# Altium PCB OBC Development Board.PcbDoc (part 2 of 3)
Units mil, origin at the board's own origin, x right, y up, seen from the top; angles counter-clockwise.
Board outline 3775.59 x 3550 mil, 6 copper layers (L1 Top Layer, L2 GND, L3 Signal, L4 Signal, L5 GND, L6 Bottom Layer), stack 61.638 mil thick; 189 components, 153 nets, 883 pads, 1126 vias.
Unrouted connection lines stored in the file: 1.
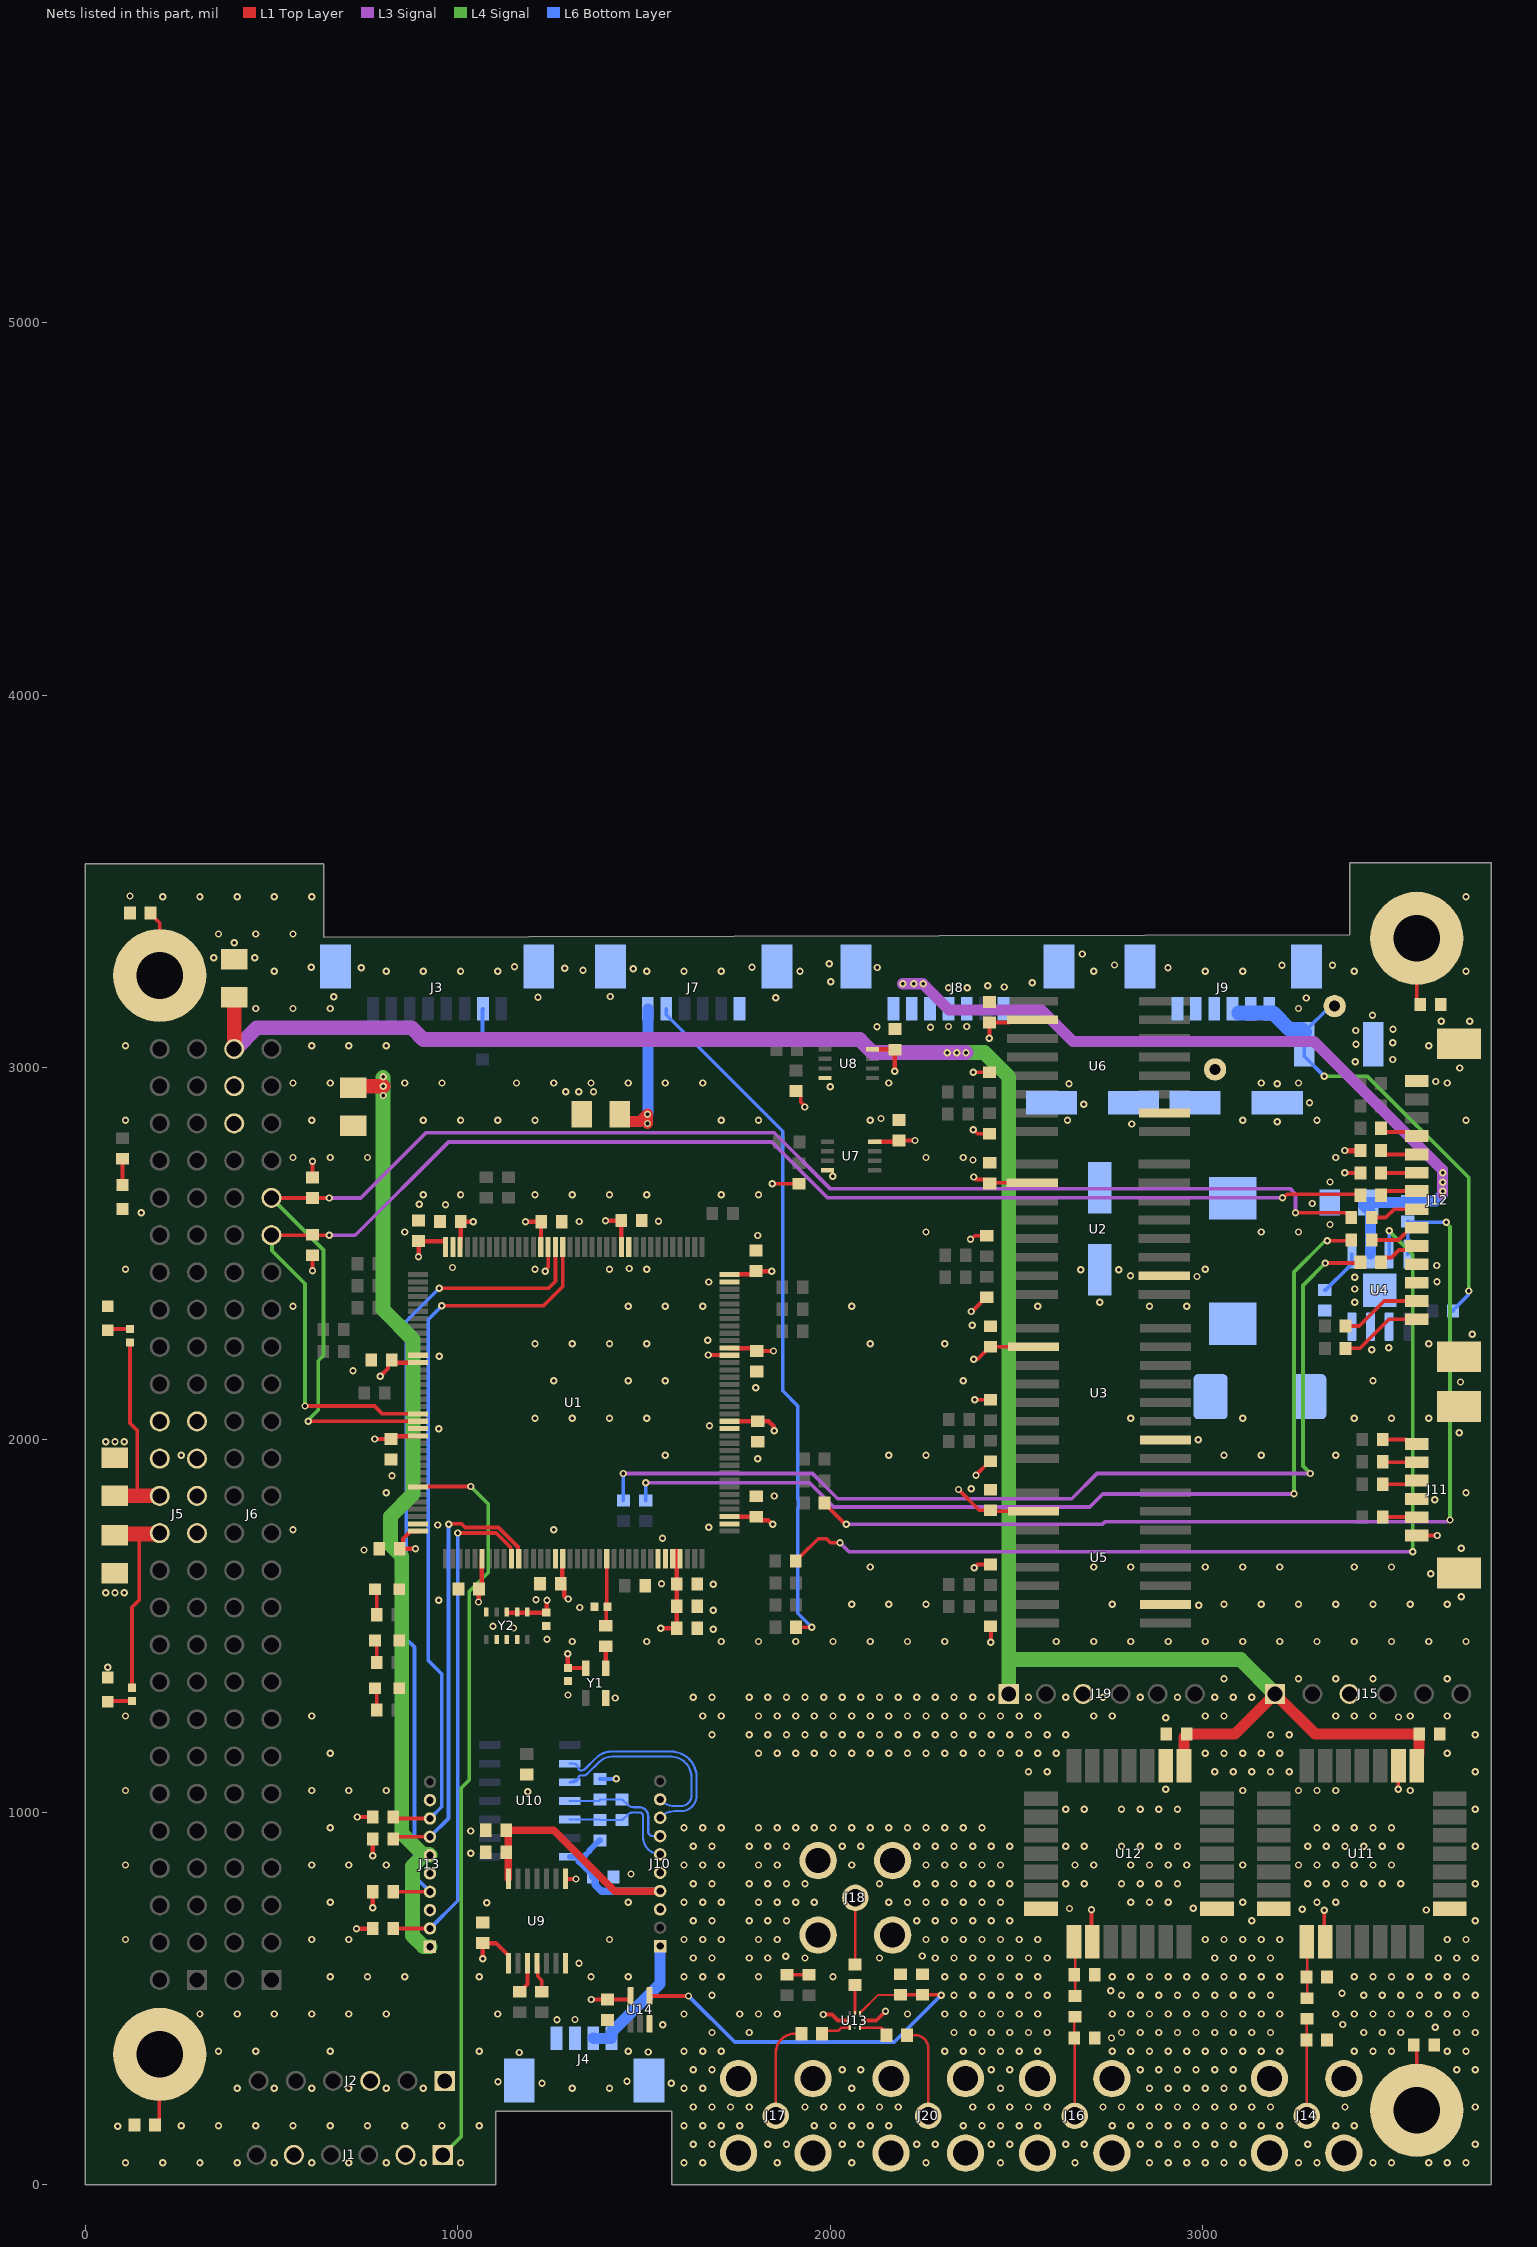
[diagram p6: the nets of this part, all layers, seen from the top]

## Via types
v1: diameter 19.68, hole 9.84, L1 Top Layer to L6 Bottom Layer, tented both sides, 1126 vias

## Nets (pads, with @x,y where several pads share a name; then routed paths per layer and width w, separated by ;. In a path a pad name is that pad's centre, name@x,y a point inside that pad or via, vN(x,y) a via of type N, cw(c..) or ccw(c..) an arc to the next point about the centre after c; other vN are vias at no path point)
3V3: C1.2 C2.2 C3.2 C4.2 C5.2 C6.2 C7.2 C8.2 C9.2 C10.2 C12.2 C13.1 C14.2 C15.2 C16.2 C17.2 C18.2 C20.2 C22.1 C23.1 C25.1 C26.1 C27.1 C28.1 C30.1 C51.2 C53.2 J2.01 J5.27 J5.28 J11.1 R19.1 R20.1 R38.2 R49.1 R54.1 R91.2 R92.1 R117.1 R118.1 R119.1 R120.2 R124.1 R125.2 R126.1 R127.2 R128.1 R129.1 R134.1 U1.6 U1.17 U1.32 U1.33 U1.39 U1.52 U1.62 U1.72 U1.84 U1.95 U1.106 U1.108 U1.121 U1.131 U1.144 U2.2 U3.2 U5.2 U6.2 U7.8 U8.8 U9.1 U9.8 U14.5 Y1.4 Y2.1 Y2.2 Y2.3 | length 4700.8
  L1 Top Layer w10: R134.1@120,2262.28 120,2045 139.37,2025.63 139.37,1850.2 ; v1(610.24,2454.76) R92.1@610.24,2496.06 ; R91.2@610.24,2704.72 v1(610.24,2748.24) ; U9.8@1289.77,821.09 v1(1317.91,821.09) ; v1(1358.44,497.56) C53.2@1402,497.56 1461.54,497.56 1464.41,500.43 U14.5@1464.41,507.59 ; v1(1844.99,2687.99) R128.1@1916.34,2687.99 ; R129.1@1908.46,2937.01 1910.43,2937.01 1921.18,2926.26 1921.18,2907.44 1932,2896.62 v1(1932,2894) ; v1(2345,1867) 2400.98,1811.02 C25.1@2431.1,1811.02 2433.72,1808.41 U5.2@2546.41,1808.41 ; v1(2377,2539) 2379.04,2539 2388.39,2548.35 R119.1@2421.1,2548.35 ; v1(2379.61,2345) 2381.14,2345 2417.6,2381.46 2417.6,2382.99 R117.1@2421.1,2382.99 ; v1(2384.58,2987.42) R127.2@2428.31,2987.42 ; v1(2385,2833) 2395.93,2822.07 R126.1@2428.31,2822.07 ; v1(2386,2217) 2396.13,2217 2429.13,2250 C23.1@2431.1,2250 2431.35,2250.25 U3.2@2546.41,2250.25 ; v1(2386,2706) 2392.28,2699.72 2418.39,2699.72 C22.1@2429.13,2688.98 2431.02,2690.87 U2.2@2543.15,2690.87 ; v1(2387,1657) 2388,1657 2396.35,1665.35 R125.2@2431.1,1665.35 ; v1(2389,2108) 2390,2108 2390.27,2108.27 R120.2@2431.1,2108.27 ; v1(2392,1905) 2392,1905.78 2429.13,1942.91 R118.1@2431.1,1942.91 ; v1(2428,3079) 2428,3120.97 C26.1@2428.31,3121.28 2479.65,3121.28 2486.69,3128.32 U6.2@2543.77,3128.32 ; R124.1@2431.1,1500 2432,1499.1 v1(2432,1457) ; v1(3381.83,2717.17) R38.2@3424.37,2717.17 ; J11.1@3575.16,1743.31 v1(3630.51,1743.31)
  L1 Top Layer w11.81: v1(728.35,687.01) 770.84,687.01 R20.1@772.06,688.22 ; v1(730.63,987.43) R54.1@772.06,987.43 ; v1(772.06,743.51) R49.1@772.06,786.65 ; v1(772.06,883.46) R19.1@772.06,928.38 ; v1(777.44,2002.56) C17.2@821,2002.56 828.47,2010.03 892.57,2010.03 U1.131@893.55,2011.02 ; v1(792.32,2171.26) 812.99,2191.93 812.99,2204.72 C16.2@822.83,2214.57 829.54,2207.87 U1.121@893.55,2207.87 ; v1(887,1708) C18.2@844.56,1708 853.11,1716.55 853.11,1734.35 872.88,1754.13 892.57,1754.13 U1.144@893.55,1755.11 ; v1(895,2492) C51.2@895,2534 966.39,2534 967.37,2533.02 U1.108@967.37,2517.91 ; U1.106@1006.74,2517.91 1006.74,2537.59 1008,2538.85 C15.2@1008,2587 1009,2586 v1(1042.09,2586) ; v1(1055.84,1565) 1056.7,1565.86 1056.7,1598.3 1056.28,1598.72 1064.81,1607.25 1064.81,1680.31 U1.6@1065.8,1681.29 ; v1(1067.33,606.88) C30.1@1067.33,648.85 1102.76,648.85 1136.23,615.39 U9.1@1136.23,594.72 ; Y2.3@1132,1538.21 1132,1536.53 1132.09,1536.43 C12.2@1238,1536.43 1239,1537.43 1239,1569 v1(1240,1570) ; v1(1182,2586) C14.2@1224.44,2586 1223.86,2585.42 1223.86,2518.49 U1.95@1223.28,2517.91 ; U1.17@1282.33,1681.29 1281.35,1680.31 1281.35,1618.79 C5.2@1276.56,1614 1286.4,1604.16 1286.4,1579.6 1287.43,1578.57 1289.43,1578.57 1294.94,1573.07 v1(1297.07,1573.07) ; v1(1296,1425.75) C20.2@1296,1387.72 1343.71,1387.72 Y1.4@1344.43,1387 ; v1(1397,2589) C10.2@1439.44,2589 1439.63,2588.81 1439.63,2518.09 U1.84@1439.81,2517.91 ; v1(1545.65,1494.35) C3.2@1588.13,1494.35 C2.2@1588.13,1553.4 1588.13,1702.87 ; U1.39@1730.17,1794.48 1730.46,1794.18 1801.7,1794.18 1811.84,1784.04 1833.83,1784.04 1843.87,1774 v1(1846,1774) ; U1.52@1730.17,2050.39 1730.36,2050.19 1805.81,2050.19 C7.2@1806,2050 1835,2050 1848.49,2036.51 1848.49,2026.66 v1(1850,2025.16) ; U1.62@1730.17,2247.24 1731.15,2246.25 1795.75,2246.25 C8.2@1803,2239 v1(1848,2239) ; U1.72@1730.17,2444.09 1731.15,2445.07 1792.63,2445.07 C9.2@1801,2453.44 v1(1843.44,2453.44) ; U8.8@2114.06,3048.82 2173.62,3048.82 C28.1@2174.21,3048.23 v1(2174.21,2990.16) ; U7.8@2120.24,2800.79 2181.69,2800.79 C27.1@2185.04,2804.13 v1(2228.35,2804.13)
  L1 Top Layer w40: C13.1@78.74,1850.39 78.94,1850.2 139.37,1850.2 199.8,1850.2 J5.28@200,1850
3V3_ANT_DEPLOY: C49.1 J6.50 J13.1 J13.6 | length 2586.4
  L1 Top Layer w40: C49.1@720,2946.18 723.82,2950 v1(800,2950)
  L4 Signal w40: v1@800,2973.69 v1(800,2950) v1(800,2925) 800,2350 880,2270 880,1855 820,1795 820,1717.5 850,1687.5 850,943.79 906.24,887.55 923.12,887.55 J13.6@925.6,885.07 908.72,885.07 878.87,855.22 878.87,668.86 908.72,639.01 J13.1@925.6,639.01
  other v1: 800,2975
3V3_CAM: C48.1 J6.48 J7.1 | length 403.4
  L1 Top Layer w30: C48.1@1435,2875 1435,2867.54 1447.56,2854.99 1489.99,2854.99 v1(1510,2875) v1(1510,2850)
  L6 Bottom Layer w30: v1@1510.83,2875 J7.1@1510.83,3157.48
3V3_LORA: C39.2 C44.2 C50.1 J6.52 J15.01 J19.01 U11.1 U12.1 | length 5667.2
  L1 Top Layer w11.81: U12.1@2950.64,1125.22 U12.1@2957.68,1132.26 ; U11.1@3575.64,1125.22 U11.1@3582.68,1132.26
  L1 Top Layer w30: U12.1@2950.64,1125.22 2950.64,1201.62 2957.68,1208.66 C44.2@2957.68,1210.63 3087.8,1210.63 J15.01@3195.08,1317.91 3302.99,1210 C39.2@3582.44,1210 3581.69,1209.25 3581.69,1156.87 3575.64,1150.81 U11.1@3575.64,1125.22
  L1 Top Layer w40: J6.52@400,3050 C50.1@400,3188.82
  L3 Signal w40: J6.52@400,3050 403.77,3050 460.74,3106.97 876.39,3106.97 908.36,3075 2080,3075 2115,3040 v1(2315,3040) v1(2340,3040) v1(2365,3040)
  L4 Signal w40: v1(2315,3040) v1(2340,3040) v1(2365,3040) 2415,3040 2479.92,2975.08 2479.92,1410 ; J19.01@2479.92,1317.91 2479.92,1410 ; J15.01@3195.08,1317.91 3102.99,1410 2479.92,1410
5V: C11.1 C29.1 C31.2 C32.1 J5.25 J5.26 J10.4 R8.2 R41.2 R135.1 U9.14 U10.14 | length 1579.2
  L1 Top Layer w10: R135.1@125.54,1334.67 125.54,1550.54 145,1570 145,1747.05
  L1 Top Layer w15: v1(3382.17,2777.17) R41.2@3424.37,2777.17
  L1 Top Layer w20: U9.14@1136.23,821.09 1136.23,946.09 C29.1@1130.32,952 1258,952 1421.39,788.61 J10.4@1543.71,788.61
  L1 Top Layer w40: C11.1@78.74,1744.09 81.69,1747.05 145,1747.05 197.05,1747.05 J5.26@200,1750
  L6 Bottom Layer w15: U10.14@1300.57,880.74 U10.14@1318.82,880.74 ; C32.1@1363.19,826.77 1363.19,828.74 1324.32,867.61 1324.32,875.24 U10.14@1318.82,880.74 ; R8.2@1382.29,924.44 1380.32,924.44 1354.08,898.2 1354.08,896.23 1338.59,880.74 U10.14@1318.82,880.74
  L6 Bottom Layer w20: C32.1@1363.19,826.77 1368.94,821.02 1368.94,806.06 1386.39,788.61 J10.4@1543.71,788.61
12V_MPI: J4.1 J4.2 J10.1 | length 351.4
  L6 Bottom Layer w30: J4.2@1364.17,393.7 1365.16,392.72 1412.64,392.72 1413.39,393.46 J4.1@1413.39,393.7 1413.39,409.45 1543.71,539.77 J10.1@1543.71,640.98
+12_BOOM: C33.1 J8.1 J8.2 R60.2 U4.2 | length 2143.2
  L3 Signal w30: v1(2195,3225) v1(2250,3225) 2320,3155 2567.5,3155 2652.5,3070 3300,3070 3645,2725 v1@3645,2660
  L6 Bottom Layer w30: C33.1@3433.07,2637.8 3433.07,2629.92 3451.38,2611.61 U4.2@3451.38,2499.02 ; C33.1@3444.88,2637.8 3545.28,2637.8 3549.21,2641.73 R60.2@3551.18,2641.73 3627.43,2641.73 3645,2659.31 v1@3645,2725
  other v1: 3645,2667.5 3645,2692.5 3645,2717.5 2225,3225
BOOM_DEPOY_EN: R37.2 U4.3 | length 2648.7
  L1 Top Layer w10: R37.2@1908.12,1675 1908.12,1676.97 1918.87,1687.72 1920.83,1687.72 1968.12,1735 1990.75,1735 2001.62,1724.13 v1(2026.87,1724.13)
  L3 Signal w10: v1(2026.87,1724.13) 2051.01,1700 v1(3565,1700)
  L4 Signal w10: v1(3501.38,2562.01) 3501.38,2561.38 3565,2497.76 v1(3565,1700)
  L6 Bottom Layer w10: U4.3@3501.38,2499.02 v1(3501.38,2562.01)
BOOM_PGOOD: R39.1 R60.1 U4.4 | length 2705.4
  L1 Top Layer w10: R39.1@1985.12,1831 1985.12,1829.03 2038.48,1775.67 2041.27,1775.67 v1(2043.13,1773.82)
  L3 Signal w10: v1(2043.13,1773.82) 2731.73,1773.82 2738.56,1780.65 3658.03,1780.65 3662.38,1785 v1(3665,1785)
  L4 Signal w10: v1(3655,2585) 3655,2582.38 3665,2572.38 v1(3665,1785)
  L6 Bottom Layer w10: R60.1@3551.18,2586.61 R60.1@3551.38,2586.42 ; U4.4@3551.38,2499.02 R60.1@3551.38,2586.42 ; v1(3655,2585) 3552.8,2585 R60.1@3551.38,2586.42
BOOT0: J1.01 U1.138 | length 2007.2
  L1 Top Layer w10: U1.138@893.55,1873.22 895.33,1875 v1(1035,1875)
  L4 Signal w10: J1.01@960,80 1010,130 1010,1066 1031,1087 1031,1593.13 1082,1644.13 1082,1828 v1(1035,1875)
BURN_NEG: J9.4 J9.5 J9.6 R61.2 R62.2 TP2.1 | length 1325.2
  L4 Signal w10: v1(3326.77,2976.38) 3443.62,2976.38 3715,2705 v1(3715,2400)
  L6 Bottom Layer w10: v1(3326.77,2976.38) 3326.77,2977.36 3273.62,3030.51 R62.2@3273.62,3062.99 3273.62,3095.47 3343.15,3165 TP2.1@3355,3165 ; R61.2@3673.23,2346.46 3673.23,2348.43 3713.15,2388.34 3713.15,2398.15 v1(3715,2400)
  L6 Bottom Layer w40: 3097.44,3146.65 3189.96,3146.65 3233.58,3103.03 3266.06,3103.03 R62.2@3273.62,3095.47
BURN_POS: C34.1 C35.1 C36.1 J9.1 J9.2 J9.3 L1.1 TP1.1
CAM_EN: J7.2 R31.1 | length 1865.8
  L1 Top Layer w10: R31.1@1908.46,1497.05 v1(1950.75,1497.05)
  L6 Bottom Layer w10: J7.2@1560.04,3157.48 1560.04,3141.73 1872.84,2828.93 1872.84,2132.08 1913.39,2091.54 1913.39,1841.75 1914.84,1840.29 1914.84,1819.71 1913.39,1818.25 1913.39,1534.41 v1(1950.75,1497.05)
GND: C1.1 C2.1 C3.1 C4.1 C5.1 C6.1 C7.1 C8.1 C9.1 C10.1 C11.2 C12.1 C13.2 C14.1 C15.1 C16.1 C17.1 C18.1 C19.1 C20.1 C21.2 C22.2 C23.2 C25.2 C26.2 C27.2 C28.2 C29.2 C30.2 C31.1 C32.2 C33.2 C34.2 C35.2 C36.2 C37.1 C38.1 C39.1 C40.1 C41.1 C43.2 C44.1 C46.1 C48.2 C49.2 C50.2 C51.1 C53.1 D1.C D2.C D3.C D4.C D5.C D6.C D7.A J1.02 J1.05 J2.03 J3.S1 J3.S2 J4.3 J4.4 J4.S1 J4.S2 J5.29 J5.30 J5.31 J5.32 J7.6 J7.S1 J7.S2 J8.3 J8.4 J8.5 J8.7 J8.S1 J8.S2 J9.S1 J9.S2 J10.3 J10.5 J11.3 J11.S1 J11.S2 J12.3 J12.4 J12.14 J12.S1 J12.S2 J13.3 J13.5 J13.9 J14.0 J15.03 J16.0 J17.0 J18.0 J19.03 J20.0 R4.1 R5.1 R6.1 R7.1 R11.1 R62.1 R65.2 R66.1 R131.1 U1.16 U1.30 U1.31 U1.38 U1.51 U1.61 U1.71 U1.83 U1.94 U1.107 U1.120 U1.130 U1.143 U2.10 U3.10 U4.6 U4.7 U4.9 U5.10 U6.10 U7.4 U8.4 U9.7 U11.2 U11.14 U11.16 U11.22 U12.2 U12.14 U12.16 U12.22 U13.2 U14.3 Y1.2 Y2.5 Y2.7 Y2.8 Y2.9 | length 603.8
  L1 Top Layer w10: v1(1235,2453) 1235,2455.62 1242.96,2463.58 U1.94@1242.96,2517.91 ; v1(1673.23,2228.35) 1673.63,2227.95 1729.77,2227.95 U1.61@1730.17,2227.55 ; R65.2@1884.84,563.98 C43.2@1943.9,563.98 ; v1(1981.67,457) 2005,457 2021.06,440.94 U13.2@2045.08,440.94 ; U13.2@2088.78,440.94 2123.94,440.94 v1(2149,466) ; v1(2702,738) 2702,655.35 U12.16@2704.57,652.78 ; v1(3327,737) 3327,655.35 U11.16@3329.57,652.78 ; v1(3525.59,1062.39) 3525.59,1124.39 U11.2@3526.43,1125.22
  L6 Bottom Layer w10: R11.1@1382.29,1089.8 v1(1426.2,1089.8)
  other v1: 107.87,58.66 207.87,58.66 307.87,58.66 407.87,58.66 507.87,58.66 607.87,58.66 707.87,58.66 807.87,58.66 907.87,58.66 1007.87,58.66 1607.87,58.66 1657.87,58.66 1857.87,58.66 2057.87,58.66 2257.87,58.66 2457.87,58.66 2657.87,58.66 2857.87,58.66 2907.87,58.66 2957.87,58.66 3007.87,58.66 3057.87,58.66 3107.87,58.66 3257.87,58.66 3307.87,58.66 3457.87,58.66 3507.87,58.66 3607.87,58.66 3657.87,58.66 3707.87,58.66 1632.87,108.66 1682.87,108.66 1832.87,108.66 1882.87,108.66 2032.87,108.66 2082.87,108.66 2232.87,108.66 2282.87,108.66 2432.87,108.66 2482.87,108.66 2632.87,108.66 2682.87,108.66 2832.87,108.66 2882.87,108.66 2932.87,108.66 2982.87,108.66 3032.87,108.66 3082.87,108.66 3282.87,108.66 3732.87,108.66 87.6,157.48 257.87,158.66 357.87,158.66 457.87,158.66 557.87,158.66 657.87,158.66 757.87,158.66 857.87,158.66 957.87,158.66 1057.87,158.66 1607.87,158.66 1657.87,158.66 1707.87,158.66 1757.87,158.66 1957.87,158.66 2007.87,158.66 2057.87,158.66 2107.87,158.66 2157.87,158.66 2357.87,158.66 2407.87,158.66 2457.87,158.66 2507.87,158.66 2557.87,158.66 2757.87,158.66 2807.87,158.66 2857.87,158.66 2907.87,158.66 2957.87,158.66 3007.87,158.66 3057.87,158.66 3107.87,158.66 3157.87,158.66 3207.87,158.66 3357.87,158.66 3407.87,158.66 1632.87,208.66 1682.87,208.66 1732.87,208.66 1782.87,208.66 1932.87,208.66 1982.87,208.66 2032.87,208.66 2082.87,208.66 2132.87,208.66 2182.87,208.66 2382.87,208.66 2432.87,208.66 2482.87,208.66 2532.87,208.66 2582.87,208.66 2732.87,208.66 2782.87,208.66 2832.87,208.66 2882.87,208.66 2932.87,208.66 2982.87,208.66 3032.87,208.66 3082.87,208.66 3132.87,208.66 3182.87,208.66 3382.87,208.66 3732.87,208.66 407.87,258.66 507.87,258.66 607.87,258.66 707.87,258.66 807.87,258.66 907.87,258.66 1307.87,258.66 1407.87,258.66 1607.87,258.66 1657.87,258.66 2057.87,258.66 2457.87,258.66 2857.87,258.66 2907.87,258.66 2957.87,258.66 3007.87,258.66 3057.87,258.66 3107.87,258.66 1226.38,272.64 1573.82,272.64 1108.27,276.57 1454.72,277.56 1632.87,308.66 1682.87,308.66 2032.87,308.66 2082.87,308.66 2432.87,308.66 2482.87,308.66 2832.87,308.66 2882.87,308.66 2932.87,308.66 2982.87,308.66 3032.87,308.66 3082.87,308.66 3682.87,308.66 3732.87,308.66 1165.35,355.32 1511.81,356.3 357.87,358.66 457.87,358.66 657.87,358.66 1057.87,358.66 1457.87,358.66 1607.87,358.66 1657.87,358.66 1707.87,358.66 2307.87,358.66 2357.87,358.66 2407.87,358.66 2457.87,358.66 2507.87,358.66 2557.87,358.66 2757.87,358.66 2807.87,358.66 2857.87,358.66 2907.87,358.66 2957.87,358.66 3007.87,358.66 3057.87,358.66 3107.87,358.66 3157.87,358.66 3207.87,358.66 3407.87,358.66 3457.87,358.66 3507.87,358.66 3657.87,358.66 3707.87,358.66 2756,394 1682.87,408.66 1782.87,408.66 2332.87,408.66 2382.87,408.66 2432.87,408.66 2482.87,408.66 2532.87,408.66 2582.87,408.66 2782.87,408.66 2832.87,408.66 2882.87,408.66 2932.87,408.66 2982.87,408.66 3032.87,408.66 3082.87,408.66 3132.87,408.66 3182.87,408.66 3432.87,408.66 3482.87,408.66 3532.87,408.66 3682.87,408.66 3732.87,408.66 3625,423.23 1551,430 3376.97,430.12 1266.73,442.91 1314.96,443.9 307.87,458.66 407.87,458.66 507.87,458.66 607.87,458.66 707.87,458.66 807.87,458.66 1107.87,458.66 1607.87,458.66 1757.87,458.66 1807.87,458.66 1857.87,458.66 2207.87,458.66 2307.87,458.66 2357.87,458.66 2407.87,458.66 2457.87,458.66 2507.87,458.66 2557.87,458.66 2757.87,458.66 2807.87,458.66 2857.87,458.66 2907.87,458.66 2957.87,458.66 3007.87,458.66 3057.87,458.66 3107.87,458.66 3157.87,458.66 3207.87,458.66 3357.87,458.66 3407.87,458.66 3457.87,458.66 3507.87,458.66 3557.87,458.66 3607.87,458.66 3657.87,458.66 3707.87,458.66 1682.87,508.66 2332.87,508.66 2382.87,508.66 2432.87,508.66 2482.87,508.66 2532.87,508.66 2582.87,508.66 2782.87,508.66 2832.87,508.66 2882.87,508.66 2932.87,508.66 2982.87,508.66 3032.87,508.66 3082.87,508.66 3132.87,508.66 3182.87,508.66 3432.87,508.66 3482.87,508.66 3532.87,508.66 3582.87,508.66 3632.87,508.66 3682.87,508.66 3732.87,508.66 3375,513.78 2753.94,520.67 657.87,558.66 757.87,558.66 857.87,558.66 1057.87,558.66 1357.87,558.66 1457.87,558.66 1607.87,558.66 1657.87,558.66 1707.87,558.66 1807.87,558.66 2007.87,558.66 2307.87,558.66 2357.87,558.66 2407.87,558.66 2457.87,558.66 2507.87,558.66 2557.87,558.66 2757.87,558.66 2807.87,558.66 2857.87,558.66 2907.87,558.66 2957.87,558.66 3007.87,558.66 3057.87,558.66 3107.87,558.66 3157.87,558.66 3207.87,558.66 3407.87,558.66 3457.87,558.66 3507.87,558.66 3557.87,558.66 3607.87,558.66 3657.87,558.66 3707.87,558.66 1325.79,594.49 1632.87,608.66 1682.87,608.66 1782.87,608.66 1832.87,608.66 1932.87,608.66 2132.87,608.66 2282.87,608.66 2332.87,608.66 2382.87,608.66 2432.87,608.66 2482.87,608.66 2532.87,608.66 2582.87,608.66 3032.87,608.66 3082.87,608.66 3132.87,608.66 3182.87,608.66 3632.87,608.66 3682.87,608.66 3732.87,608.66 1880.91,613.19 2248.03,614.17 107.87,658.66 607.87,658.66 707.87,658.66 1407.87,658.66 1607.87,658.66 1657.87,658.66 1707.87,658.66 1807.87,658.66 1857.87,658.66 2257.87,658.66 2307.87,658.66 2357.87,658.66 2407.87,658.66 2457.87,658.66 2507.87,658.66 2557.87,658.66 3007.87,658.66 3057.87,658.66 3107.87,658.66 3157.87,658.66 3207.87,658.66 3657.87,658.66 3707.87,658.66 1632.87,708.66 1682.87,708.66 1782.87,708.66 1832.87,708.66 1882.87,708.66 2232.87,708.66 2282.87,708.66 2332.87,708.66 2382.87,708.66 2432.87,708.66 2482.87,708.66 3132.87,708.66 3732.87,708.66 3601.19,737.61 3268,740 2643,742 2975.39,742.13 1077.99,757.25 657.87,758.66 1457.87,758.66 1607.87,758.66 1657.87,758.66 1707.87,758.66 1807.87,758.66 1857.87,758.66 1907.87,758.66 1957.87,758.66 2157.87,758.66 2207.87,758.66 2257.87,758.66 2307.87,758.66 2357.87,758.66 2407.87,758.66 2457.87,758.66 2807.87,758.66 2857.87,758.66 2907.87,758.66 3107.87,758.66 3307.87,758.66 3357.87,758.66 1632.87,808.66 1682.87,808.66 1782.87,808.66 1832.87,808.66 1882.87,808.66 1932.87,808.66 2132.87,808.66 2232.87,808.66 2282.87,808.66 2332.87,808.66 2382.87,808.66 2432.87,808.66 2482.87,808.66 2632.87,808.66 2682.87,808.66 2782.87,808.66 2832.87,808.66 2882.87,808.66 2932.87,808.66 3282.87,808.66 3332.87,808.66 3382.87,808.66 3432.87,808.66 3482.87,808.66 3532.87,808.66 3732.87,808.66 1465.55,834.65 107.87,858.66 607.87,858.66 707.87,858.66 807.87,858.66 1607.87,858.66 1657.87,858.66 1707.87,858.66 1807.87,858.66 1857.87,858.66 2057.87,858.66 2257.87,858.66 2307.87,858.66 2357.87,858.66 2407.87,858.66 2457.87,858.66 2657.87,858.66 2707.87,858.66 2807.87,858.66 2857.87,858.66 2907.87,858.66 2957.87,858.66 3107.87,858.66 3257.87,858.66 3307.87,858.66 3357.87,858.66 3407.87,858.66 3457.87,858.66 3507.87,858.66 1035,890 1632.87,908.66 1682.87,908.66 1782.87,908.66 1832.87,908.66 1882.87,908.66 2032.87,908.66 2082.87,908.66 2232.87,908.66 2282.87,908.66 2332.87,908.66 2382.87,908.66 2432.87,908.66 2482.87,908.66 2632.87,908.66 2682.87,908.66 2782.87,908.66 2832.87,908.66 2882.87,908.66 2932.87,908.66 3282.87,908.66 3332.87,908.66 3382.87,908.66 3432.87,908.66 3482.87,908.66 3532.87,908.66 3732.87,908.66 1035,950 657.87,958.66 1607.87,958.66 1657.87,958.66 1707.87,958.66 1807.87,958.66 1857.87,958.66 1907.87,958.66 1957.87,958.66 2007.87,958.66 2057.87,958.66 2107.87,958.66 2157.87,958.66 2207.87,958.66 2257.87,958.66 2307.87,958.66 2357.87,958.66 2407.87,958.66 3307.87,958.66 3357.87,958.66 3407.87,958.66 3457.87,958.66 3507.87,958.66 2632.87,1008.66 2682.87,1008.66 2782.87,1008.66 2832.87,1008.66 2882.87,1008.66 2932.87,1008.66 3732.87,1008.66 1188,1055 107.87,1058.66 607.87,1058.66 707.87,1058.66 807.87,1058.66 3107.87,1058.66 3257.87,1058.66 3307.87,1058.66 3357.87,1058.66 3557.87,1058.66 2901.57,1062.39 2532.87,1108.66 2582.87,1108.66 3032.87,1108.66 3082.87,1108.66 3132.87,1108.66 3182.87,1108.66 3232.87,1108.66 3732.87,1108.66 657.87,1158.66 1807.87,1158.66 1857.87,1158.66 1907.87,1158.66 1957.87,1158.66 2007.87,1158.66 2057.87,1158.66 2107.87,1158.66 2157.87,1158.66 2207.87,1158.66 2257.87,1158.66 2307.87,1158.66 2357.87,1158.66 2407.87,1158.66 2457.87,1158.66 2507.87,1158.66 2557.87,1158.66 2607.87,1158.66 3007.87,1158.66 3057.87,1158.66 3107.87,1158.66 3157.87,1158.66 3207.87,1158.66 3657.87,1158.66 1682.87,1208.66 1782.87,1208.66 1832.87,1208.66 1882.87,1208.66 1932.87,1208.66 1982.87,1208.66 2032.87,1208.66 2082.87,1208.66 2132.87,1208.66 2182.87,1208.66 2232.87,1208.66 2282.87,1208.66 2332.87,1208.66 2382.87,1208.66 2432.87,1208.66 2482.87,1208.66 2532.87,1208.66 2582.87,1208.66 2632.87,1208.66 3182.87,1208.66 3232.87,1208.66 3732.87,1208.66 2901.57,1253.94 3526.57,1255.91 107.87,1258.66 607.87,1258.66 1657.87,1258.66 1707.87,1258.66 1807.87,1258.66 1857.87,1258.66 1907.87,1258.66 1957.87,1258.66 2007.87,1258.66 2057.87,1258.66 2107.87,1258.66 2157.87,1258.66 2207.87,1258.66 2257.87,1258.66 2307.87,1258.66 2357.87,1258.66 2407.87,1258.66 2457.87,1258.66 2507.87,1258.66 2557.87,1258.66 2707.87,1258.66 2757.87,1258.66 3007.87,1258.66 3057.87,1258.66 3357.87,1258.66 3407.87,1258.66 3457.87,1258.66 3557.87,1258.66 3657.87,1258.66 1423.23,1307.09 1632.87,1308.66 1682.87,1308.66 1782.87,1308.66 1832.87,1308.66 1882.87,1308.66 1932.87,1308.66 1982.87,1308.66 2032.87,1308.66 2082.87,1308.66 2132.87,1308.66 2182.87,1308.66 2232.87,1308.66 2282.87,1308.66 2332.87,1308.66 2382.87,1308.66 2432.87,1308.66 2532.87,1308.66 2632.87,1308.66 2732.87,1308.66 2832.87,1308.66 2932.87,1308.66 3032.87,1308.66 3082.87,1308.66 3132.87,1308.66 1296.26,1314.96 3057.87,1358.66 3257.87,1358.66 3357.87,1358.66 3457.87,1358.66 3657.87,1358.66 60,1390 1307.87,1458.66 1507.87,1458.66 1707.87,1458.66 1807.87,1458.66 1907.87,1458.66 2007.87,1458.66 2107.87,1458.66 2207.87,1458.66 2307.87,1458.66 2607.87,1458.66 2707.87,1458.66 2807.87,1458.66 2907.87,1458.66 3007.87,1458.66 3107.87,1458.66 3207.87,1458.66 3307.87,1458.66 3407.87,1458.66 3507.87,1458.66 3607.87,1458.66 3707.87,1458.66 1240,1465 1686.02,1492.13 1150,1495 1095,1500 1686.02,1543.07 1327.76,1550.2 2990.16,1556.1 2057.87,1558.66 2157.87,1558.66 2257.87,1558.66 2757.87,1558.66 3057.87,1558.66 3157.87,1558.66 3257.87,1558.66 3357.87,1558.66 3457.87,1558.66 3557.87,1558.66 3657.87,1558.66 949.16,1570 1210.33,1571.01 3694.88,1578.74 55,1590 80,1590 105,1590 1686.02,1612.2 1547.24,1614.17 3613.19,1640.75 2107.87,1658.66 2707.87,1658.66 2807.87,1658.66 3007.87,1658.66 3107.87,1658.66 3207.87,1658.66 3407.87,1658.66 3507.87,1658.66 748.43,1704.72 3694.88,1709.65 1550.2,1736.22 557.87,1758.66 1257.87,1758.66 1674.68,1765.32 946.38,1771.61 3624.02,1839.57 1850.39,1849.41 807.87,1858.66 3707.87,1858.66 2378.94,1869.09 823.82,1903.54 1806.1,1949.84 257.87,1958.66 1557.87,1958.66 2157.87,1958.66 2257.87,1958.66 3057.87,1958.66 3157.87,1958.66 3357.87,1958.66 55,1995 80,1995 105,1995 2989.17,2000.98 3689.84,2019.68 948.82,2030.51 1676.51,2038.03 1207.87,2058.66 1307.87,2058.66 1407.87,2058.66 1507.87,2058.66 2807.87,2058.66 3107.87,2058.66 3407.87,2058.66 3507.87,2058.66 3607.87,2058.66 1800.2,2139.84 3692.91,2155.51 1257.87,2158.66 1457.87,2158.66 1557.87,2158.66 2357.87,2158.66 3457.87,2158.66 718.75,2186.02 950.79,2224.41 3454.57,2242.28 3500,2248.03 1207.87,2258.66 1307.87,2258.66 1407.87,2258.66 1507.87,2258.66 2107.87,2258.66 2307.87,2258.66 3607.87,2258.66 1671.26,2267.72 3724.41,2283.46 2381.89,2308.07 557.87,2358.66 1457.87,2358.66 1557.87,2358.66 1657.87,2358.66 2057.87,2358.66 2557.87,2358.66 2857.87,2358.66 2957.87,2358.66 2724.41,2370.08 3409.45,2370.08 3409.45,2405.51 1674.21,2424.21 3630.16,2425.2 3409.45,2437.01 2985.24,2438.98 2807.09,2440.94 2673.23,2456.69 2775.59,2456.69 107.87,2458.66 1207.87,2458.66 1407.87,2458.66 1507.87,2458.66 3007.87,2458.66 1460.63,2460.63 986,2463.16 3628.94,2468.5 1805.8,2548.87 857.87,2558.66 2257.87,2558.66 3157.87,2558.66 3257.87,2558.66 3342.52,2578.74 1326.77,2586.61 1539.37,2587.6 150,2610 967.52,2631.89 896.65,2632.87 3295.28,2635.16 907.87,2658.66 1007.87,2658.66 1207.87,2658.66 1307.87,2658.66 1407.87,2658.66 1507.87,2658.66 1707.87,2658.66 1807.87,2658.66 3342.52,2692.91 2006.99,2708.61 2384,2752 557.87,2758.66 657.87,2758.66 757.87,2758.66 2257.87,2758.66 2357.87,2758.66 3357.87,2758.66 2810.04,2848.43 3200.79,2854.33 107.87,2858.66 607.87,2858.66 907.87,2858.66 1007.87,2858.66 1107.87,2858.66 1207.87,2858.66 1707.87,2858.66 1807.87,2858.66 2107.87,2858.66 2637.8,2858.27 3107.87,2858.66 3307.87,2858.66 3707.87,2858.66 2136.81,2863.19 2681.1,2901.57 3287.4,2905.51 1290,2935 1325,2935 1365,2935 2000.47,2948.82 2641.73,2956.69 3200.79,2956.69 557.87,2958.66 657.87,2958.66 857.87,2958.66 957.87,2958.66 1157.87,2958.66 1257.87,2958.66 1357.87,2958.66 1457.87,2958.66 1557.87,2958.66 1657.87,2958.66 2157.87,2958.66 3157.87,2958.66 3257.87,2958.66 3657.87,2958.66 3626.97,2962.6 3690.94,2999.02 3410.43,3015.75 3510.83,3021.65 107.87,3058.66 607.87,3058.66 707.87,3058.66 807.87,3058.66 3607.87,3058.66 3412.4,3062.99 3510.83,3066.93 3411.42,3099.41 3511.81,3103.35 2269.69,3108.27 2125.98,3109.25 2317.91,3110.24 2367.13,3110.24 3641.73,3124.02 3717.52,3124.02 3456.69,3140.75 457.87,3158.66 557.87,3158.66 657.87,3158.66 3257.87,3158.66 3278.54,3187.01 1854.33,3187.76 1215.55,3188.98 667.32,3189.96 1409.45,3190.94 2317.91,3214.57 2368.11,3214.57 2467.52,3216.54 2423.23,3219.49 2543.38,3228.11 2001.97,3230.32 507.87,3258.66 807.87,3258.66 907.87,3258.66 1007.87,3258.66 1107.87,3258.66 1507.87,3258.66 1607.87,3258.66 1707.87,3258.66 1919.29,3258.86 2707.87,3258.66 3007.87,3258.66 3107.87,3258.66 3407.87,3258.66 3707.87,3258.66 1336.61,3261.81 1471.46,3265.75 1287.4,3266.73 741.14,3267.72 2907.48,3267.72 2126.97,3268.7 607.28,3269.68 1790.35,3269.68 1152.56,3270.67 3213.58,3274.61 3349.41,3274.61 2763.78,3275.59 1998.03,3278.54 345,3295 455,3295 2677.17,3305.12 400,3335 357.87,3358.66 457.87,3358.66 557.87,3358.66 207.87,3458.66 307.87,3458.66 407.87,3458.66 507.87,3458.66 607.87,3458.66 3707.87,3458.66 120.08,3460.63
GPS_PPS: J3.7 R30.2 | length 81.1
  L6 Bottom Layer w9.84: R30.2@1066.93,3076.77 1066.93,3156.5 J3.7@1067.91,3157.48
I2C1_SCL: J6.43 R53.1 R91.1 U1.129 | length 4067.4
  L1 Top Layer w10: J6.43@500,2650 v1(655,2650) ; v1(598.5,2050) 598.69,2050.19 893.36,2050.19 U1.129@893.55,2050.39 ; v1(3250,2610) 3250.12,2609.88 3388.62,2609.88 3399.37,2599.13 R53.1@3399.37,2597.17
  L3 Signal w10: v1(655,2650) 740,2650 915,2825 1850,2825 2000.04,2674.96 3235.17,2674.96 3250,2660.13 v1(3250,2610)
  L4 Signal w10: J6.43@500,2650 639.68,2510.32 639.68,2226.91 625.59,2212.82 625.59,2080.59 603,2058 603,2054.5 v1(598.5,2050)
  L6 Bottom Layer w10: v1@598,2050 v1(598.5,2050)
I2C1_SDA: J6.41 R55.1 R92.2 U1.128 | length 3903.9
  L1 Top Layer w10: J6.41@500,2550 v1(655,2550) ; v1(590,2091) 777,2091 797.93,2070.07 U1.128@893.55,2070.07 ; v1(3215,2650.12) 3217.62,2650.12 3227.5,2660 3421.54,2660 R55.1@3424.37,2657.17
  L3 Signal w10: v1(655,2550) 725,2550 975.16,2800.16 1843.77,2800.16 1993.81,2650.12 v1(3215,2650.12)
  L4 Signal w10: J6.41@500,2550 501.32,2548.68 501.32,2508.03 590,2419.35 v1(590,2091)
I2C2_SCL: J13.7 R19.2 U1.11 | length 1206.1
  L1 Top Layer w10: R19.2@827.17,928.38 833.08,934.28 J13.7@925.6,934.28 ; v1(975.97,1774.06) 976.75,1774.84 1010.31,1774.84 1020.16,1765 1109.96,1765 1162.33,1712.63 1162.33,1683.18 U1.11@1164.22,1681.29
  L6 Bottom Layer w10: J13.7@925.6,934.28 975.16,983.84 975.16,1773.25 v1(975.97,1774.06)
I2C2_SDA: J13.2 R20.2 U1.10 | length 1380.4
  L1 Top Layer w10: R20.2@827.17,688.22 J13.2@925.6,688.22 ; v1(1000,1750) 1103.75,1750 1142.65,1711.1 1142.65,1683.18 U1.10@1144.54,1681.29
  L6 Bottom Layer w10: J13.2@925.6,688.22 1000,762.62 v1(1000,1750)
I2C3_SCL: J13.8 R54.2 U1.92 | length 1971.8
  L1 Top Layer w10: R54.2@827.17,987.43 831.11,983.5 J13.8@925.6,983.5 ; v1(957.68,2360.24) 1230.32,2360.24 1282.33,2412.25 U1.92@1282.33,2517.91
  L6 Bottom Layer w10: J13.8@925.6,983.5 957.33,1015.23 957.33,1371.67 921.26,1407.74 921.26,2323.82 v1(957.68,2360.24)
I2C3_SDA: J13.4 R49.2 U1.93 | length 2193.7
  L1 Top Layer w10: R49.2@827.17,786.65 J13.4@925.6,786.65 ; v1(950.79,2407.48) 1244.09,2407.48 1262.65,2426.03 U1.93@1262.65,2517.91
  L6 Bottom Layer w10: J13.4@925.6,786.65 883.86,828.39 883.86,1443.67 862.16,1465.37 862.16,2318.85 v1(950.79,2407.48)
LPUART1_RX: R18.1 R42.1 | length 2667
  L1 Top Layer w10: v1(3330,2475) 3422.2,2475 R42.1@3424.37,2477.17
  L3 Signal w10: v1(1445,1910) 1952.95,1910 2020.79,1842.16 2649.07,1842.16 2716.91,1910 v1(3290,1910)
  L4 Signal w10: v1(3290,1910) 3270,1930 3270,2415 v1(3330,2475)
  L6 Bottom Layer w10: R18.1@1445,1837.56 v1(1445,1910)
LPUART1_TX: R21.1 R44.1 | length 2614.5
  L1 Top Layer w10: v1(3335,2535) 3397.2,2535 R44.1@3399.37,2537.17
  L3 Signal w10: v1(1505.14,1884.84) 1945.16,1884.84 2010,1820 2697.18,1820 2732.36,1855.18 v1(3245.9,1855.18)
  L4 Signal w10: v1(3245.9,1855.18) 3245.9,2450.9 3330,2535 v1(3335,2535)
  L6 Bottom Layer w10: R21.1@1505,1837.56 1505,1884.7 v1(1505.14,1884.84)
MPI_RX_N: J10.9 U10.10 | length 561.8
  L6 Bottom Layer w5.8: U10.10@1300.57,1080.74 1310.47,1080.74 ccw(c1310.47,1095.34) 1320.79,1085.02 ccw(c1312.77,1093.04) 1324.12,1093.04 cw(c1329.92,1093.04) 1325.82,1097.14 cw(c1329.92,1093.04) 1329.92,1098.84 1335.72,1098.84 ccw(c1335.72,1118.64) 1349.71,1104.64 ; U10.10@1300.59,1080.93 U10.10@1319.24,1088.34 ; 1349.72,1104.64 1380.91,1135.83 cw(c1414.17,1102.56) 1414.17,1149.61 1572.83,1149.61 cw(c1572.83,1094.49) 1627.95,1094.49 1627.95,1045.51 cw(c1599.41,1045.51) 1599.41,1016.97 1582.68,1016.97 cw(c1582.68,1068.3) 1546.38,1032.01 J10.9@1543.71,1034.68
MPI_RX_NEN: R46.2 U9.3 | length 86.5
  L1 Top Layer w10: R46.2@1166.7,517.94 1168.67,517.94 1179.42,528.69 1179.42,530.66 1187.41,538.65 U9.3@1187.41,594.72
MPI_RX_P: J10.8 U10.9 | length 584.8
  L6 Bottom Layer w5.8: U10.9@1300.57,1130.74 1310.47,1130.74 cw(c1310.47,1116.14) 1320.79,1126.46 cw(c1312.77,1118.44) 1324.12,1118.44 ccw(c1329.92,1118.44) 1325.82,1114.34 ccw(c1329.92,1118.44) 1329.92,1112.64 1332.86,1112.64 ccw(c1332.86,1125.54) 1341.97,1116.41 1371.18,1145.61 cw(c1414.13,1102.66) 1414.13,1163.41 1572.83,1163.41 cw(c1572.83,1094.49) 1641.75,1094.49 1641.75,1045.51 cw(c1599.41,1045.51) 1599.41,1003.17 1582.68,1003.17 ccw(c1582.68,951.84) 1546.38,988.14 J10.8@1543.71,985.46
MPI_TX_EN: R43.2 U9.4 | length 82.1
  L1 Top Layer w10: U9.4@1213,594.72 1214.89,592.83 1214.89,559.6 1225.8,548.69 R43.2@1225.8,517.94
MPI_TX_N: J10.7 R11.2 R130.1 U10.11 | length 314.8
  L6 Bottom Layer w5.8: U10.11@1300.57,1030.74 1378.35,1030.74 ccw(c1378.35,1034.68) R11.2@1382.29,1034.68 R130.1@1441.35,1034.68 1455.99,1021.83 ccw(c1472.42,1034.68) 1472.42,1013.8 1487.2,1013.8 cw(c1487.2,989.19) 1511.81,989.19 1511.81,947.83 ccw(c1523.39,947.83) 1523.39,936.25 J10.7@1543.71,936.25
MPI_TX_P: J10.6 R8.1 R130.2 U10.12 | length 339.8
  L6 Bottom Layer w5.8: U10.12@1300.57,980.74 1381.11,980.74 cw(c1381.11,979.56) R8.1@1382.29,979.56 R130.2@1441.35,979.56 1455.56,992.41 cw(c1471.46,979.56) 1471.46,1000 1487.2,1000 cw(c1487.2,989.19) 1498.01,989.19 1498.01,932.74 ccw(c1543.71,932.74) J10.6@1543.71,887.04
N_UHF_CTL: C46.2 R66.2 U13.4 U14.4 | length 1120.7
  L1 Top Layer w6: U13.4@2083.43,463.63 2129.64,509.84 C46.2@2188.98,509.84
  L1 Top Layer w10: U14.4@1515.59,507.59 1516.18,507 v1(1620,507) ; C46.2@2188.98,509.84 R66.2@2248.03,509.84 2297.24,509.84 v1(2298.23,508.86)
  L6 Bottom Layer w10: v1(1620,507) 1744,383 2172.37,383 v1(2298.23,508.86)
Net*1_1: *1.1 R4.2 | length 178.4
  L1 Top Layer w10: R4.2@175.2,3415.35 175.2,3413.39 200,3388.58 *1.1@200,3247.24
Net*2_1: *2.1 R5.2 | length 181.7
  L1 Top Layer w10: *2.1@3575.59,3347.24 3575.59,3178.35 R5.2@3584.65,3169.29
Net*3_1: *3.1 R6.2 | length 195.2
  L1 Top Layer w10: R6.2@187.56,160 198.31,170.75 198.31,348.31 *3.1@200,350
Net*4_1: *4.1 R7.2 | length 178.4
  L1 Top Layer w10: R7.2@3567.44,375 3575.59,366.85 *4.1@3575.59,200
NetC21_1: C21.1 C52.1 U1.23 | length 183.7
  L1 Top Layer w10: C52.1@1398,1498.56 1398.72,1499.28 1398.72,1549 1400.44,1550.72 U1.23@1400.44,1681.29
NetC24_1: C24.1 D7.C L1.2 U4.8
NetC24_2: C24.2 U4.1 | length 128.4
  L6 Bottom Layer w10: C24.2@3328.74,2402.56 3330.71,2402.56 3393.39,2465.24 3394.57,2465.24 3401.38,2472.05 U4.1@3401.38,2499.02
NetC37_2: C37.2 R63.1 U11.15 | length 151.9
  L1 Top Layer w7: U11.15@3280.36,652.78 3281,652.14 R63.1@3281,501.12
NetC38_2: C38.2 J14.1 R63.2 | length 261.4
  L1 Top Layer w7: J14.1@3280,185 3280,445 R63.2@3281,446
NetC40_2: C40.2 R64.1 U12.15 | length 147.3
  L1 Top Layer w7: U12.15@2655.36,652.78 2658,650.14 R64.1@2658,506.56
NetC41_2: C41.2 J16.1 R64.2 | length 267.7
  L1 Top Layer w7: J16.1@2657,185 2657,393 C41.2@2656,394 2656,449.44 R64.2@2658,451.44
NetC42_1: C42.1 J17.1 | length 267.4
  L1 Top Layer w7: J17.1@1854.33,185.04 1854.33,354.33 cw(c1905.51,354.33) 1905.51,405.51 C42.1@1923.23,405.51
NetC42_2: C42.2 U13.1 | length 81
  L1 Top Layer w7: C42.2@1978.35,405.51 1986.17,413.33 2021.96,413.33 2030.48,421.85 U13.1@2052.6,421.85
NetC45_1: C45.1 U13.5 | length 76.4
  L1 Top Layer w7: U13.5@2066.93,460.04 C45.1@2066.93,536.42
NetC45_2: C45.2 J18.1 | length 179.4
  L1 Top Layer w7: C45.2@2066.93,591.54 2068.06,592.67 J18.1@2068.06,770.48
NetC47_1: C47.1 J20.1 | length 258.8
  L1 Top Layer w7: C47.1@2206.69,401.57 2229.33,401.57 cw(c2229.33,367.13) 2263.78,367.13 J20.1@2263.78,185.04
NetC47_2: C47.2 U13.3 | length 82.4
  L1 Top Layer w7: U13.3@2080.71,421.85 2131.3,421.85 cw(c2131.3,401.57) C47.2@2151.57,401.57
NetC52_2: C52.2 Y1.3 | length 56.6
  L1 Top Layer w11.81: Y1.3@1397.57,1387 1397.57,1443.02 C52.2@1398,1443.44
NetD1_A: D1.A R1.1 | length 70.9
  L1 Top Layer w10: D1.A@778.06,1599.34 782.99,1594.42 R1.1@782.99,1530.44
NetD2_A: D2.A R2.1 | length 61.1
  L1 Top Layer w10: D2.A@778.06,1461.54 782.99,1456.62 R2.1@782.99,1402.49
NetD3_A: D3.A R134.2 | length 61.3
  L1 Top Layer w10: D3.A@60.07,2294.46 63.33,2297.72 R134.2@120,2297.72
NetD4_A: D4.A R135.2 | length 65.8
  L1 Top Layer w10: D4.A@60.54,1297.19 62.59,1299.24 R135.2@125.54,1299.24
NetD5_A: D5.A R136.1 | length 69.9
  L1 Top Layer w11.81: D5.A@100,2684.96 R136.1@100,2754.88
NetD6_A: D6.A R3.1 | length 61.1
  L1 Top Layer w10: D6.A@778.06,1333.59 782.99,1328.67 R3.1@782.99,1274.54
NetJ11_2: J11.2 R47.2 | length 91
  L1 Top Layer w10: R47.2@3484.45,1793.31 3574.37,1793.31 J11.2@3575.16,1792.52
NetJ11_4: J11.4 R45.2 | length 94.7
  L1 Top Layer w10: R45.2@3484.45,1881.34 3565.55,1881.34 J11.4@3575.16,1890.95
NetJ11_5: J11.5 R52.2 | length 91.2
  L1 Top Layer w10: R52.2@3484.45,1941.34 3485.63,1940.16 J11.5@3575.16,1940.16
NetJ11_6: J11.6 R51.2 | length 95.7
  L1 Top Layer w10: R51.2@3484.45,2001.34 3547.44,2001.34 3559.41,1989.37 J11.6@3575.16,1989.37
NetJ12_1: J12.1 R33.2 | length 223.4
  L1 Top Layer w10: R33.2@3384.02,2246.02 3423.19,2246.02 3501.14,2323.98 J12.1@3575.16,2323.98
NetJ12_2: J12.2 R35.2 | length 219
  L1 Top Layer w10: R35.2@3384.02,2306.02 3421.02,2306.02 3488.19,2373.19 J12.2@3575.16,2373.19
NetJ12_5: J12.5 R42.2 | length 114.9
  L1 Top Layer w10: R42.2@3479.49,2477.17 3479.49,2479.13 3490.24,2489.88 3507.6,2489.88 3527.8,2510.08 3564.41,2510.08 J12.5@3575.16,2520.83
NetJ12_6: J12.6 R44.2 | length 134.3
  L1 Top Layer w10: R44.2@3454.49,2537.17 3526.54,2537.17 3559.41,2570.04 J12.6@3575.16,2570.04
NetJ12_7: J12.7 R53.2 | length 129.8
  L1 Top Layer w10: R53.2@3454.49,2597.17 3492.17,2597.17 3514.25,2619.25 J12.7@3575.16,2619.25
NetJ12_8: J12.8 R55.2 | length 100.7
  L1 Top Layer w10: R55.2@3479.49,2657.17 3479.49,2657.72 3490.24,2668.46 J12.8@3575.16,2668.46
NetJ12_9: J12.9 R38.1 | length 95.9
  L1 Top Layer w10: R38.1@3479.49,2717.17 3574.65,2717.17 J12.9@3575.16,2717.68
NetJ12_10: J12.10 R41.1 | length 99.9
  L1 Top Layer w10: R41.1@3479.49,2777.17 3489.76,2766.89 J12.10@3575.16,2766.89
NetJ12_11: J12.11 R32.2 | length 104.4
  L1 Top Layer w10: R32.2@3479.49,2837.17 3489.88,2826.77 3564.49,2826.77 J12.11@3575.16,2816.1